# Altium PCB VOU_SOM_CV_V0.0.1.PcbDoc (part 4 of 4)
Units mm, origin at the board's own origin, x right, y up, seen from the top; angles counter-clockwise.
Board outline 61 x 95 mm, 6 copper layers (Top Layer, PWR1, INT1, INT2, PWR2, Bottom Layer), stack 1.205 mm thick; 473 components, 642 nets, 2975 pads, 831 vias.
Unrouted connection lines stored in the file: 1493.
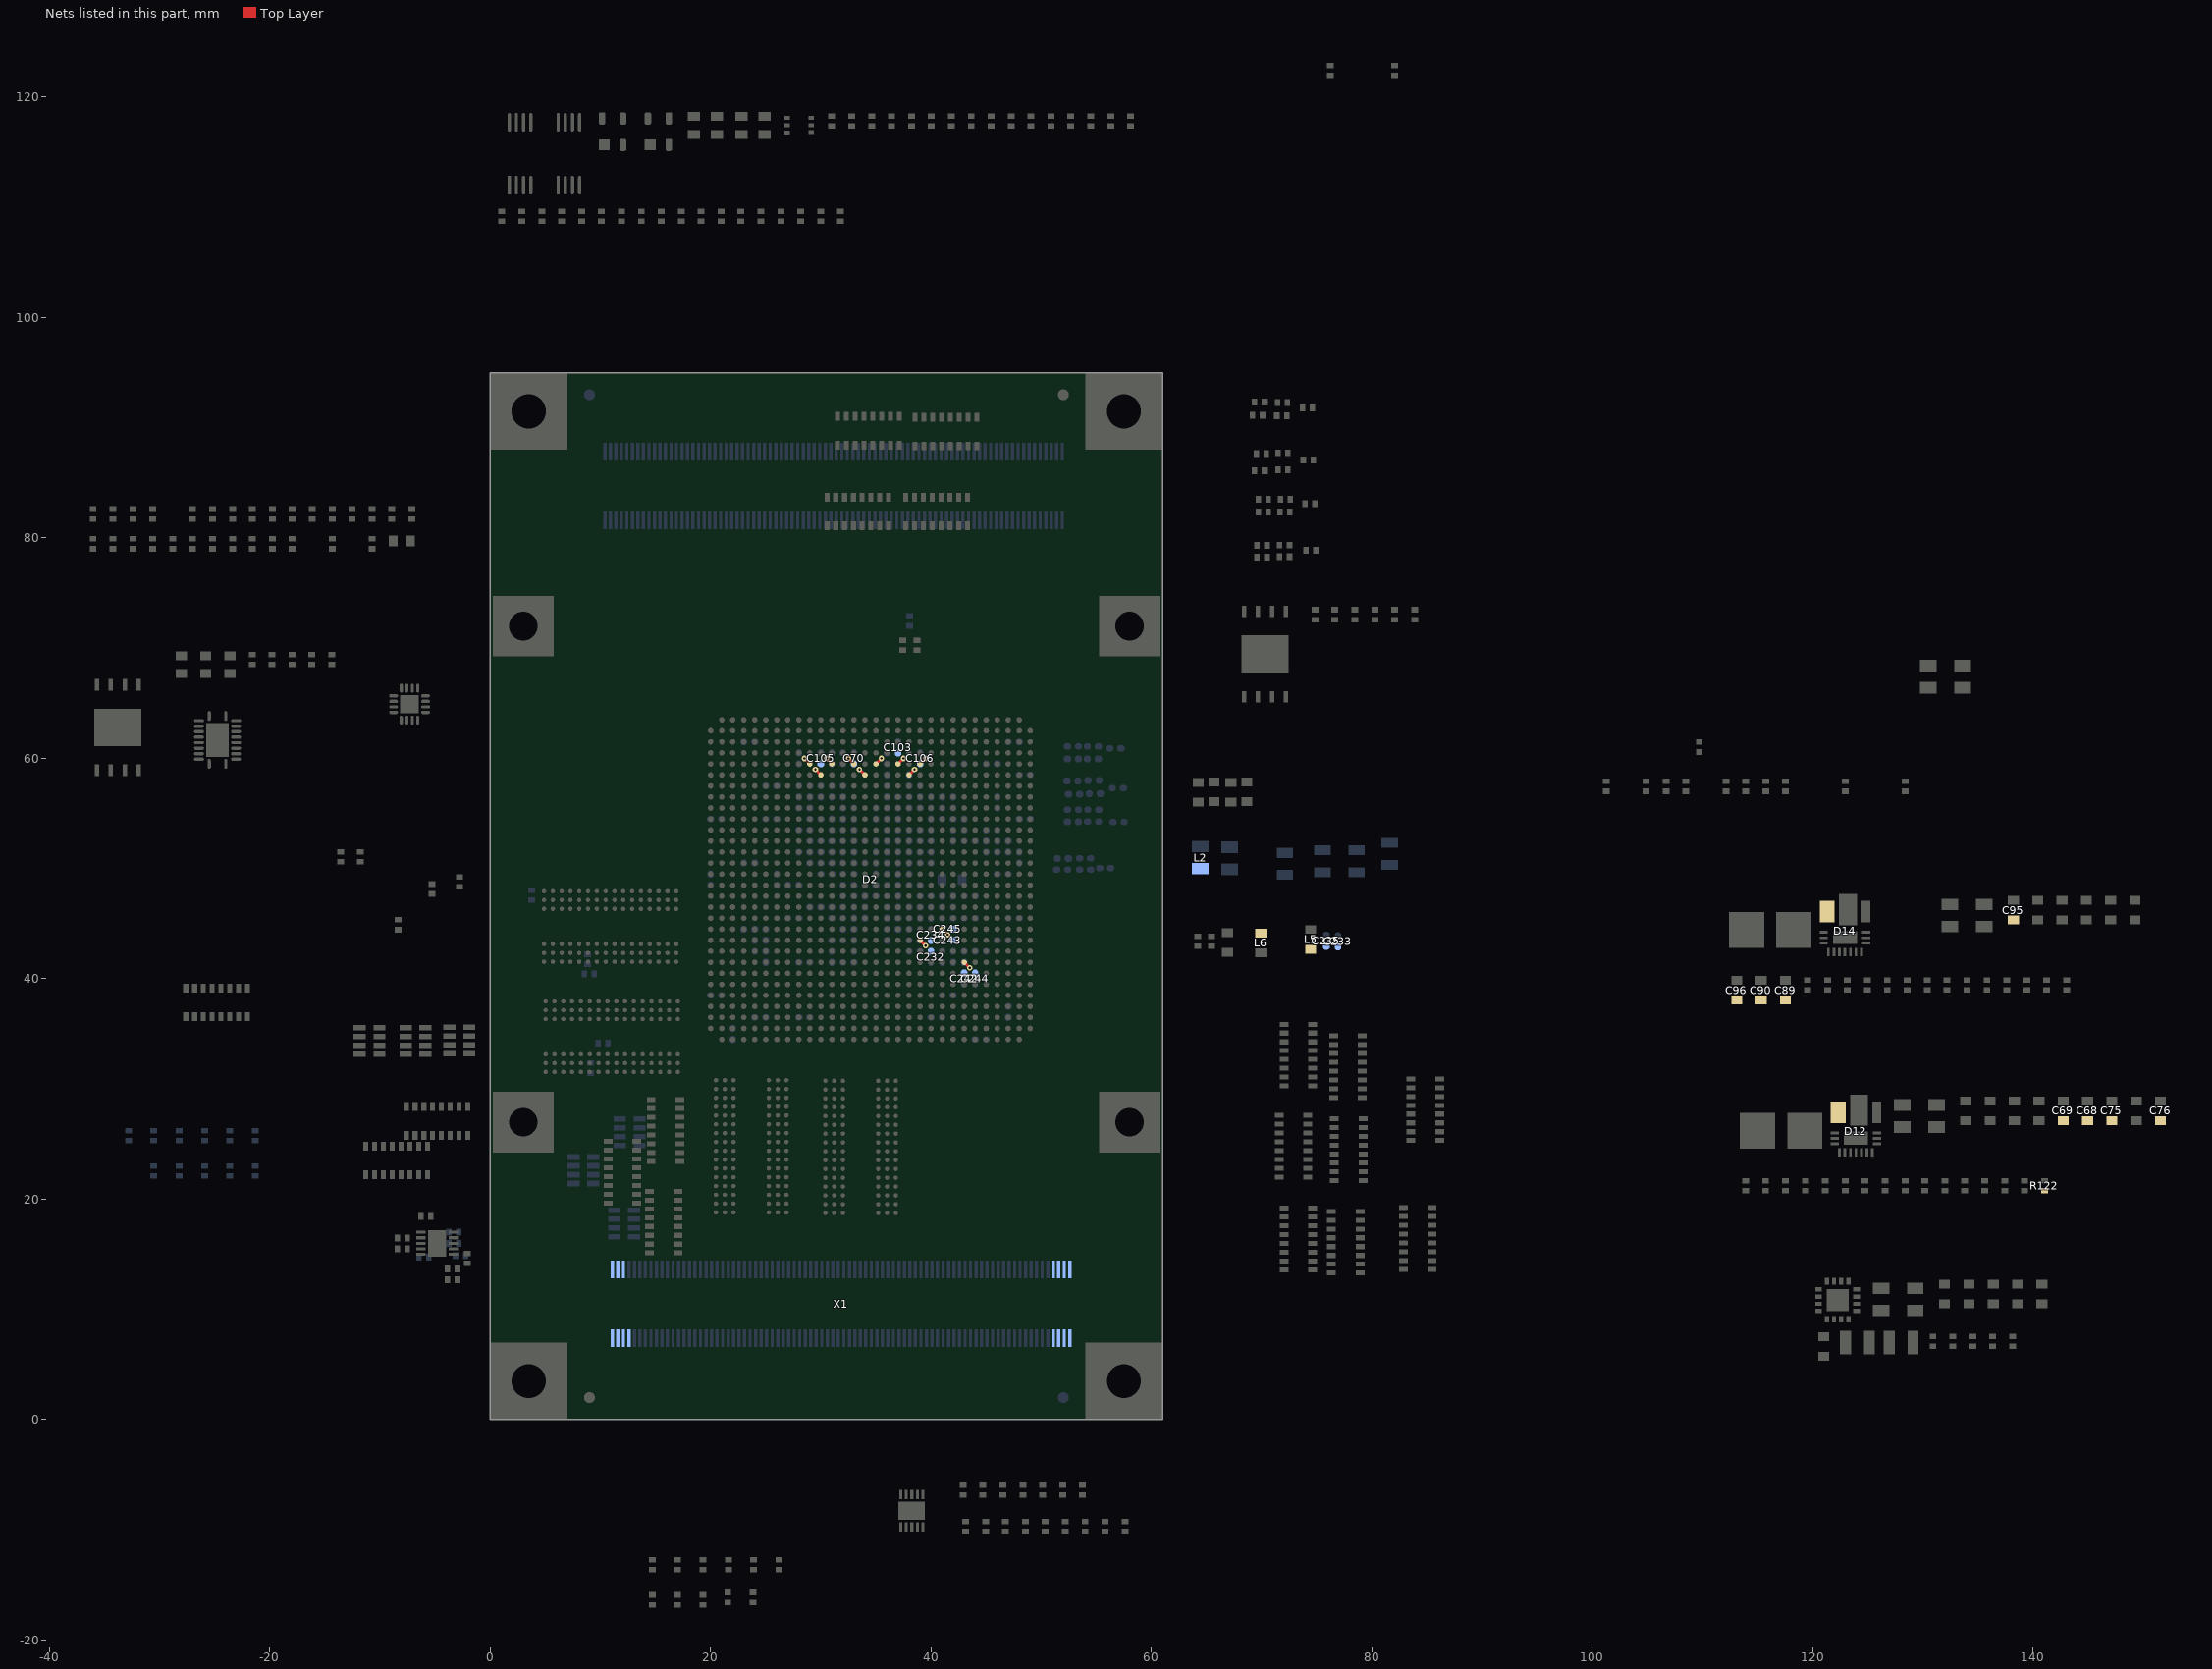
[diagram p4: the nets of this part, all layers, seen from the top]

## Via types
v1: diameter 0.5, hole 0.2, Top Layer to Bottom Layer, 831 vias

## Nets (pads, with @x,y where several pads share a name; then routed paths per layer and width w, separated by ;. In a path a pad name is that pad's centre, name@x,y a point inside that pad or via, vN(x,y) a via of type N, cw(c..) or ccw(c..) an arc to the next point about the centre after c; other vN are vias at no path point) (continued)
VCCL_GXBL_1P1: C70.2 C103.2 C105.2 C106.2 D2.AA5 D2.L5 D2.M6 D2.N5 D2.R5 D2.T6 D2.U5 D2.W5 D2.Y6 L2.1 | length 6.4
  Top Layer w0.25: v1(28.5,60) D2.AA5@29,59.5 ; v1(29.5,59) D2.Y6@30,58.5 ; v1(30.5,60) D2.W5@31,59.5 ; v1(32.5,60) D2.U5@33,59.5 ; v1(33.5,59) D2.T6@34,58.5 ; D2.R5@35,59.5 v1(35.5,60) ; D2.N5@37,59.5 v1(37.5,60) ; D2.M6@38,58.5 v1(38.5,59) ; D2.L5@39,59.5 v1(39.5,60)
VCCPLL_HPS_2P5: C232.2 C233.2 C234.2 C235.2 D2.L21 L5.2 | length 0.7
  Top Layer w0.25: D2.L21@39,43.5 v1(39.5,43)
VCCRSTCLK_HPS: C242.2 C243.2 C244.2 C245.2 D2.G23 D2.J20 L6.2 | length 1.4
  Top Layer w0.25: D2.J20@41,44.5 v1(41.5,44) ; D2.G23@43,41.5 v1(43.5,41)
VIN: C68.1 C69.1 C75.1 C76.1 C89.1 C90.1 C95.1 C96.1 D12.13 D14.13 R122.1 X1.1 X1.2 X1.3 X1.4 X1.5 X1.6 X1.7 X1.161 X1.162 X1.163 X1.164 X1.165 X1.166 X1.167 X1.168
pads on no net: C229.1 C248.1 D2.A13 D2.AA7 D2.AA19 D2.AA20 D2.AA21 D2.AA30 D2.AB17 D2.AB21 D2.AB30 D2.AC12 D2.AC14 D2.AC18 D2.AC22 D2.AC23 D2.AC25 D2.AD12 D2.AD15 D2.AD17 D2.AD20 D2.AD21 D2.AD24 D2.AE7 D2.AE24 D2.AE28 D2.AF9 D2.AF25 D2.AF26 D2.AG2 D2.AG5 D2.AG10 D2.AG13 D2.AG26 D2.AH3 D2.AH5 D2.AH9 D2.AH19 D2.AH22 D2.AH25 D2.AH27 D2.AJ4 D2.AJ5 D2.AJ19 D2.AJ25 D2.AJ26 D2.AK2 D2.AK3 D2.AK4 D2.AK6 D2.AK16 D2.AK28 D2.AK29 D2.B13 D2.E26 D2.F1 D2.G2 D2.G25 D2.H3 D2.H4 D2.H29 D2.J15 D2.J26 D2.K3 D2.K4 D2.K21 D2.L30 D2.M3 D2.M4 D2.M22 D2.M25 D2.N23 D2.N30 D2.P3 D2.P4 D2.P22 D2.P29 D2.R24 D2.T3 D2.T4 D2.T21 D2.T23 D2.T24 D2.T25 D2.T30 D2.U20 D2.U25 D2.U27 D2.U28 D2.V18 D2.V20 D2.V23 D2.V25 D2.V27 D2.V28 D2.V29 D2.W19 D2.W24 D2.W25 D2.W26 D2.W27 D2.Y18 D2.Y19 D2.Y23 D2.Y24 D2.Y28 D2.Y29 D6.21 D7.9 D9.9 D12.9 D14.9 DD2.7 DD3.8 DD3.11 DD3.12 DD3.15 DD3.16 R22.7 R22.8 R22.9 R22.10 R24.1 R24.2 R24.15 R24.16 RP_BL.0 RP_BR.0 RP_LT.0 RP_RT.0 U1.J1 U1.J9 U1.L1 U1.L9 U1.M7 U2.J1 U2.J9 U2.L1 U2.L9 U2.M7 U3.J1 U3.J9 U3.L1 U3.L9 U3.M7 U4.J1 U4.J9 U4.L1 U4.L9 U4.M7 X1.64 X1.66
copper on no net: | length 1.4
  Top Layer w0.25: 48,51.5 v1(48.5,52) ; 49,51.5 v1(49.5,52)
  other v1: -25.3,60.575 -24.2,60.575 -25.3,61.675 -24.2,61.675 -35.29,61.805 -34.29,61.805 -33.29,61.805 -32.29,61.805 -25.3,62.775 -24.2,62.775 -35.29,62.805 -34.29,62.805 -33.29,62.805 -32.29,62.805 -35.29,63.805 -34.29,63.805 -33.29,63.805 -32.29,63.805 68.804,68.462 69.804,68.462 70.804,68.462 71.804,68.462 68.804,69.462 69.804,69.462 70.804,69.462 71.804,69.462 68.804,70.462 69.804,70.462 70.804,70.462 71.804,70.462

## Silkscreen, mask and mechanical layers (free items; w line width, h text height)
Board:
  the board outline again, w0.1

## Text inside footprints (layer, text, board x,y; h text height)
X1: Bottom Overlay "168" at 53.63,15.745 h0.6 r90; Bottom Overlay "2" at 10.725,14.925 h0.6 r90; Bottom Overlay "167" at 53.575,6.65 h0.6 r90
X2: Bottom Overlay "167" at 9.405,88.565 h0.6 r270; Bottom Overlay "2" at 52.255,80.29 h0.6 r270; Bottom Overlay "168" at 9.35,79.47 h0.6 r270